# KiCad board Eclipse60.kicad_pcb (continued)
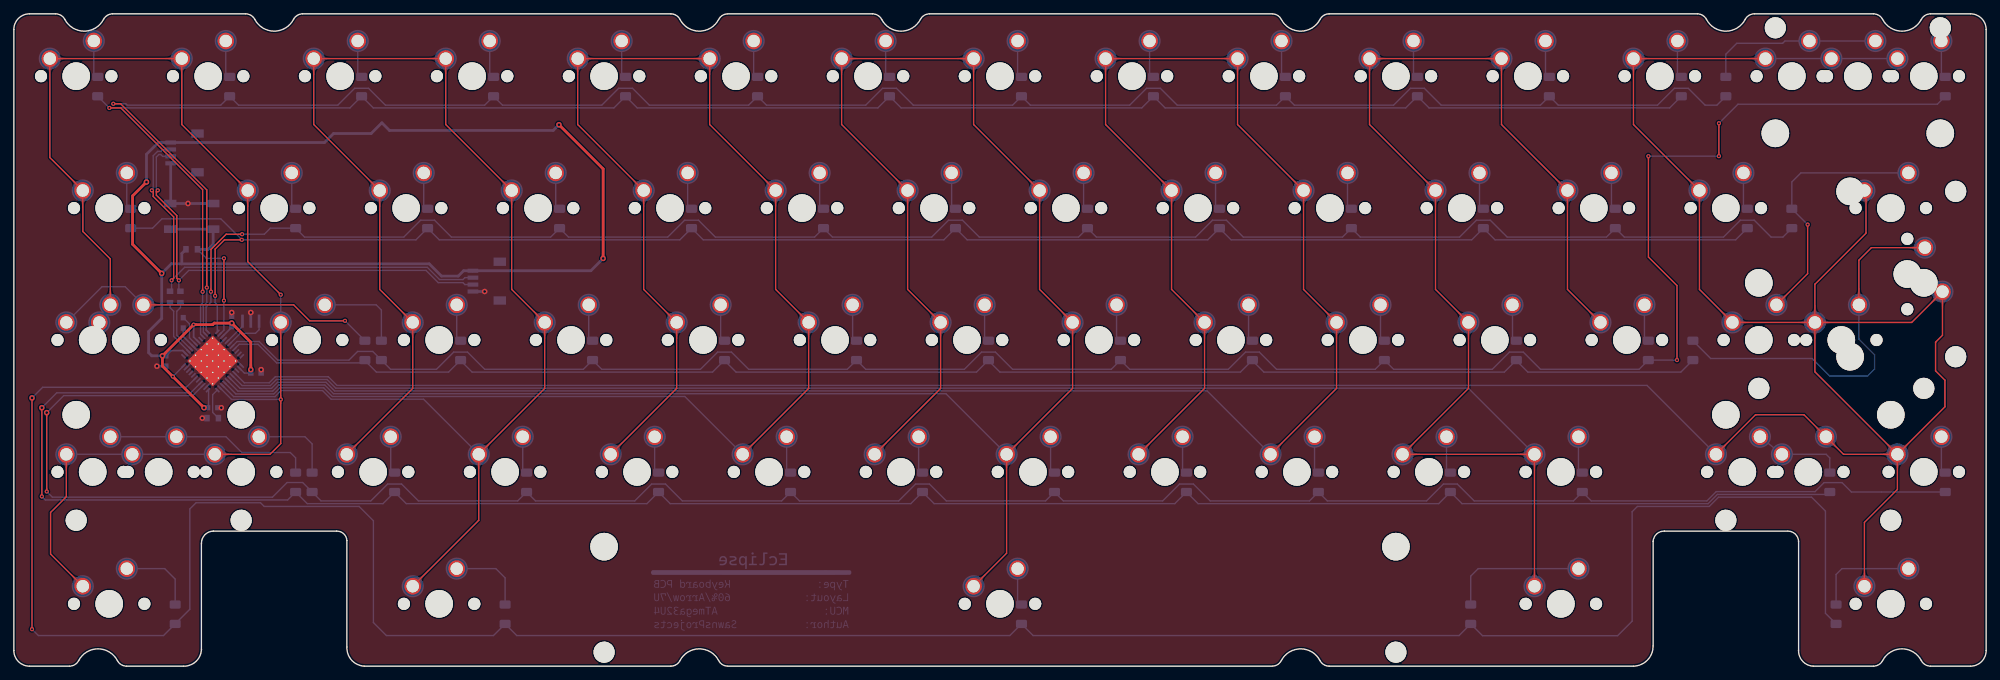
[diagram p0: board, top side]
## Routing (per net, layer and track width the routed paths; a pad name or vN(x,y) marks a point on that pad's centre or on a via; arc(x,y) is an arc through that point) (continued)
  Bottom w0.2: MX14.1 MX46.1 MX15.1 ; U1.26 33.26,40.92 36.87,40.92 37.74,41.79 45.39,41.79 46.64,40.54 235.74,40.54 MX62.1
D+: length 67.2
  Top w0.2: v1(23.82,55.72) 23.52,56.02 23.52,65.06 20.57,68.01 20.57,68.52 v1(20.77,68.72)
  Bottom w0.2: R2.2 23.82,54.37 v1(23.82,55.72) 25.25,57.15 59.49,57.15 61.26,55.38 64.83,55.38 65.11,55.1 J1.3 ; v1(20.77,68.72) 20.57,68.92 20.57,73.52 20.94,73.89 21.2,73.89 21.48,73.62 J2.3
D-: length 69.2
  Top w0.2: v1(19.92,68.72) 20.12,68.52 20.12,67.82 23.07,64.87 23.07,56.02 v1(22.77,55.72)
  Bottom w0.2: v1(19.92,68.72) 20.12,68.92 20.12,73.71 20.75,74.34 21.2,74.34 21.48,74.62 J2.2 ; J1.2 65.11,56.1 64.83,55.83 61.45,55.83 59.68,57.6 24.65,57.6 v1(22.77,55.72) 22.77,54.37 R3.1
R0: length 276.9
  Top w0.2: v1(27.25,54.07) 27.25,68.81 15.44,80.62 v1(13.78,80.62)
  Bottom w0.2: D13.1 239.01,80.62 204.28,80.62 D11.1 200.91,80.62 166.18,80.62 D9.1 162.81,80.62 128.08,80.62 D7.1 124.71,80.62 89.98,80.62 D5.1 86.61,80.62 51.88,80.62 D3.1 48.51,80.62 v1(13.78,80.62) D1.1 ; U1.9 26.95,47.94 26.95,52.2 27.25,52.5 v1(27.25,54.07)
R1: length 291.7
  Top w0.2: v1(27.85,54.67) 27.85,68.78 15.41,81.22 v1(14.35,81.22)
  Bottom w0.2: v1(27.85,54.67) 27.85,52.53 27.35,52.04 27.35,48.25 U1.10 ; v1(14.35,81.22) 16.16,81.22 16.36,81.02 29.86,81.02 D2.1 32.43,81.02 46.76,81.02 49.2,83.45 51.2,83.45 53.63,81.02 67.96,81.02 D4.1 70.53,81.02 84.86,81.02 87.3,83.45 89.3,83.45 91.73,81.02 106.06,81.02 D6.1 108.63,81.02 122.96,81.02 125.4,83.45 127.4,83.45 129.83,81.02 144.16,81.02 D8.1 146.73,81.02 161.06,81.02 163.5,83.45 165.5,83.45 167.93,81.02 182.26,81.02 D10.1 184.83,81.02 199.16,81.02 201.6,83.45 203.6,83.45 206.03,81.02 220.36,81.02 D12.1 222.93,81.02 237.26,81.02 239.7,83.45 241.7,83.45 244.13,81.02 245.84,81.02 D14.1
R2: length 259.4
  Top w0.2: v1(29.05,53.47) 29.05,60.22 30.4,61.57 v1(32.91,61.57)
  Bottom w0.2: D29.1 248.54,61.57 213.81,61.57 D27.1 210.44,61.57 175.71,61.57 D25.1 172.34,61.57 137.61,61.57 D23.1 134.24,61.57 99.51,61.57 D21.1 96.14,61.57 61.41,61.57 D19.1 58.04,61.57 v1(32.91,61.57) 29.88,64.6 21.38,64.6 20.03,63.25 D17.1 ; U1.12 29.36,52.21 29.05,52.52 v1(29.05,53.47)
R3: length 260.3
  Top w0.2: v1(28.45,54.07) 28.45,60.18 30.64,62.38 v1(32.95,62.38)
  Bottom w0.2: v1(28.45,54.07) 28.45,52.57 27.75,51.87 27.75,48.55 U1.11 ; v1(32.95,62.38) 36.15,62.38 37.03,63.25 D18.1 41.96,61.97 56.29,61.97 58.72,64.4 60.72,64.4 63.16,61.97 77.49,61.97 D20.1 80.06,61.97 94.39,61.97 96.82,64.4 98.82,64.4 101.26,61.97 115.59,61.97 D22.1 118.16,61.97 132.49,61.97 134.92,64.4 136.92,64.4 139.36,61.97 153.69,61.97 D24.1 156.26,61.97 170.59,61.97 173.02,64.4 175.02,64.4 177.46,61.97 191.79,61.97 D26.1 194.36,61.97 208.69,61.97 211.12,64.4 213.12,64.4 215.56,61.97 229.89,61.97 D28.1 232.46,61.97 246.79,61.97 249.22,64.4 251.22,64.4 253.66,61.97 255.37,61.97 D30.1
R4: length 220.5
  Bottom w0.2: 216.86,44.15 218.54,42.47 240.63,42.47 D45.1 ; 64.46,44.15 66.14,42.47 100.85,42.47 D37.1 ; 50.65,44.15 52.33,42.47 62.75,42.47 D35.1 ; 102.56,44.15 104.24,42.47 138.95,42.47 D39.1 ; 140.66,44.15 142.34,42.47 177.05,42.47 D41.1 ; 178.76,44.15 180.44,42.47 215.15,42.47 D43.1 ; U1.19 32.53,46.48 35.24,46.48 37.93,43.79 50.58,43.79
R5: length 307.2
  Top w0.2: v1(240.08,44.2) 240.08,54.95 235.95,59.08 v1(235.95,73.65) ; v1(246.13,78.4) v1(246.13,73.65)
  Bottom w0.2: D15.1 277.65,81.15 248.88,81.15 v1(246.13,78.4) ; v1(246.13,73.65) v1(235.95,73.65) ; v1(240.08,44.2) D44.1 234.6,42.87 220.37,42.87 217.89,45.35 215.89,45.35 213.4,42.87 199.17,42.87 D42.1 196.5,42.87 182.27,42.87 179.79,45.35 177.79,45.35 175.3,42.87 161.07,42.87 D40.1 158.4,42.87 144.17,42.87 141.69,45.35 139.69,45.35 137.2,42.87 122.97,42.87 D38.1 120.3,42.87 106.07,42.87 103.59,45.35 101.59,45.35 99.1,42.87 84.87,42.87 D36.1 82.2,42.87 67.97,42.87 65.49,45.35 63.49,45.35 61,42.87 54.39,42.87 D34.1 51.8,45.45 49.63,45.45 48.37,44.19 38.1,44.19 35.41,46.88 32.22,46.88 U1.18
R6: length 304.2
  Top w0.2: v2(4.04,37.32) v1(4.04,24.51)
  Bottom w0.2: 262.1,24.8 245.9,24.8 244.57,23.47 209.05,23.47 D59.1 205.68,23.47 170.95,23.47 D57.1 167.58,23.47 132.85,23.47 D55.1 129.48,23.47 94.75,23.47 D53.1 91.38,23.47 56.65,23.47 D51.1 53.28,23.47 42.36,23.47 D49.1 39.52,24 4.55,24 v1(4.04,24.51) ; v2(4.04,37.32) 6.18,39.47 25.51,39.47 U1.37
R7: length 329
  Top w0.2: v2(4.74,36.62) v1(4.74,25.22)
  Bottom w0.2: v1(4.74,25.22) 5.56,24.4 37.33,24.4 39.44,26.52 41.69,26.52 D50.1 44.34,23.87 51.53,23.87 53.96,26.3 55.96,26.3 58.4,23.87 72.73,23.87 D52.1 75.3,23.87 89.63,23.87 92.06,26.3 94.06,26.3 96.5,23.87 110.83,23.87 D54.1 113.4,23.87 127.73,23.87 130.16,26.3 132.16,26.3 134.6,23.87 148.93,23.87 D56.1 151.5,23.87 165.83,23.87 168.26,26.3 170.26,26.3 172.7,23.87 187.03,23.87 D58.1 189.6,23.87 203.93,23.87 206.36,26.3 208.36,26.3 210.8,23.87 225.13,23.87 D60.1 227.7,23.87 244.4,23.87 245.73,25.2 260,25.2 261.3,26.5 263.9,26.5 265.25,25.15 D63.1 ; v2(4.74,36.62) 7.2,39.07 25.82,39.07 U1.36
R8: length 390
  Top w0.2: v2(2.62,38.74) v1(2.62,5.34)
  Bottom w0.2: v1(2.62,5.34) 3.54,4.42 21.6,4.42 D65.1 25.4,8.21 25.4,22.7 26.3,23.6 35.6,23.6 36.13,23.07 49.83,23.07 51.9,21 51.9,6.3 53.78,4.42 69.23,4.42 D67.1 72.6,4.42 143.76,4.42 D69.1 147.13,4.42 208.61,4.42 D68.1 212,4.4 231.5,4.4 233.6,6.5 233.6,22.3 234.37,23.07 244.73,23.07 246.07,24.4 259.5,24.4 261.5,22.4 261.5,7.64 D72.1 ; U1.39 24.9,40.27 4.15,40.27 v2(2.62,38.74)
Net-(C1-Pad1): length 4.7
  Bottom w0.2: 26.34,46.43 25.35,47.42 25.35,49.42 C1.1
Net-(D1-Pad2): length 5.3
  Bottom w0.2: MX1.2 11.54,85.02
Net-(D2-Pad2): length 5.3
  Bottom w0.2: MX2.2 30.59,85.02
Net-(D3-Pad2): length 5.3
  Bottom w0.2: MX3.2 49.64,85.02
Net-(D4-Pad2): length 5.3
  Bottom w0.2: MX4.2 68.69,85.02
Net-(D5-Pad2): length 5.3
  Bottom w0.2: MX5.2 87.74,85.02
Net-(D6-Pad2): length 5.3
  Bottom w0.2: MX6.2 106.79,85.02
Net-(D7-Pad2): length 5.3
  Bottom w0.2: MX7.2 125.84,85.02
Net-(D8-Pad2): length 5.3
  Bottom w0.2: MX8.2 144.89,85.02
Net-(D9-Pad2): length 5.3
  Bottom w0.2: MX9.2 163.94,85.02
Net-(D10-Pad2): length 5.3
  Bottom w0.2: MX10.2 182.99,85.02
Net-(D11-Pad2): length 5.3
  Bottom w0.2: MX11.2 202.04,85.02
Net-(D12-Pad2): length 5.3
  Bottom w0.2: MX12.2 221.09,85.02
Net-(D13-Pad2): length 5.3
  Bottom w0.2: MX13.2 240.14,85.02
Net-(D14-Pad2): length 25.7
  Bottom w0.2: D14.2 247.13,88.38 248.7,89.95 255.32,89.95 255.65,90.28 MX14.2 MX46.2
Net-(D15-Pad2): length 5.3
  Bottom w0.2: MX15.2 278.24,85.02
Net-(D17-Pad2): length 5.3
  Bottom w0.2: MX17.2 16.3,65.96
Net-(D18-Pad2): length 5
  Bottom w0.2: MX18.2 40.12,66.24
Net-(D19-Pad2): length 5
  Bottom w0.2: MX19.2 59.17,66.24
Net-(D20-Pad2): length 5
  Bottom w0.2: MX20.2 78.22,66.24
Net-(D21-Pad2): length 5
  Bottom w0.2: 97.27,71.23 97.27,66.24
Net-(D22-Pad2): length 5
  Bottom w0.2: MX22.2 116.32,66.24
Net-(D23-Pad2): length 5
  Bottom w0.2: MX23.2 135.37,66.24
Net-(D24-Pad2): length 5
  Bottom w0.2: MX24.2 154.42,66.24
Net-(D25-Pad2): length 5
  Bottom w0.2: MX25.2 173.47,66.24
Net-(D26-Pad2): length 5
  Bottom w0.2: 192.52,71.23 192.52,66.24
Net-(D27-Pad2): length 5
  Bottom w0.2: MX27.2 211.57,66.24
Net-(D28-Pad2): length 5
  Bottom w0.2: 230.62,71.23 230.62,66.24
Net-(D29-Pad2): length 5
  Bottom w0.2: 249.67,71.23 249.67,66.24
Net-(D30-Pad2): length 37.9
  Top w0.2: v1(258.93,63.77) 258.93,56.68 MX83.2
  Bottom w0.2: v1(258.93,63.77) D30.2 256.65,69.93 257.96,71.23 MX30.2
Net-(D33-Pad2): length 48.5
  Top w0.2: MX33.2 40.39,52.18 42.7,49.87 v1(47.8,49.87)
  Bottom w0.2: D33.2 v1(47.8,49.87) ; MX65.1 12.73,54.8 16.06,54.8 MX33.2
Net-(D34-Pad2): length 12.9
  Bottom w0.2: MX34.2 52.3,52.18 53.05,51.42 D34.2
Net-(D35-Pad2): length 5.1
  Bottom w0.2: MX35.2 63.93,47.03
Net-(D36-Pad2): length 5.1
  Bottom w0.2: MX36.2 82.98,47.03
Net-(D37-Pad2): length 5.1
  Bottom w0.2: MX37.2 102.03,47.03
Net-(D38-Pad2): length 5.1
  Bottom w0.2: MX38.2 121.08,47.03
Net-(D39-Pad2): length 5.1
  Bottom w0.2: MX39.2 140.13,47.03
Net-(D40-Pad2): length 5.1
  Bottom w0.2: MX40.2 159.18,47.03
Net-(D41-Pad2): length 5.1
  Bottom w0.2: MX41.2 178.23,47.03
Net-(D42-Pad2): length 5.1
  Bottom w0.2: MX42.2 197.28,47.03
Net-(D43-Pad2): length 5.1
  Bottom w0.2: MX43.2 216.33,47.03
Net-(D44-Pad2): length 5.1
  Bottom w0.2: MX44.2 235.38,47.03
Net-(D45-Pad2): length 55.7
  Top w0.2: MX84.1 268.14,60.44 266.33,58.63 MX45.2
  Bottom w0.2: D45.2 244.94,44.43 259.6,44.43 262.13,41.9 267.6,41.9 268.6,42.9 268.6,44.98 266.33,47.24 MX45.2
Net-(D49-Pad2): length 30.1
  Bottom w0.2: D49.2 40.67,30.08 39.9,30.85 32.9,30.85 30.62,33.13 MX31.2 MX49.2
Net-(D50-Pad2): length 12.3
  Bottom w0.2: D50.2 43.06,32.1 42.02,33.13 MX50.2
Net-(D51-Pad2): length 5.1
  Bottom w0.2: MX51.2 54.4,28.06
Net-(D52-Pad2): length 5.1
  Bottom w0.2: MX52.2 73.45,28.06
Net-(D53-Pad2): length 5.1
  Bottom w0.2: MX53.2 92.5,28.06
Net-(D54-Pad2): length 5.1
  Bottom w0.2: MX54.2 111.55,28.06
Net-(D55-Pad2): length 5.1
  Bottom w0.2: MX55.2 130.6,28.06
Net-(D56-Pad2): length 5.1
  Bottom w0.2: MX56.2 149.65,28.06
Net-(D57-Pad2): length 5.1
  Bottom w0.2: MX57.2 168.7,28.06
Net-(D58-Pad2): length 5.1
  Bottom w0.2: MX58.2 187.75,28.06
Net-(D59-Pad2): length 5.1
  Bottom w0.2: MX59.2 206.8,28.06
Net-(D60-Pad2): length 5.3
  Bottom w0.2: MX60.2 225.85,27.85
Net-(D62-Pad2): length 13.3
  Bottom w0.2: D62.2 262.13,30.07 261.61,30.59 MX76.1 MX62.2
Net-(D63-Pad2): length 5.2
  Bottom w0.2: MX63.2 278.24,27.92
Net-(D65-Pad2): length 11.3
  Bottom w0.2: D65.2 23.29,12.57 21.78,14.08 MX80.2
Net-(D67-Pad2): length 11.4
  Bottom w0.2: D67.2 70.91,12.75 69.58,14.08 MX81.2
Net-(D68-Pad2): length 20.1
  Bottom w0.2: MX61.2 211.38,14.08 210.3,13 D68.2
Net-(D69-Pad2): length 5.3
  Bottom w0.2: MX79.2 144.89,8.77
Net-(D72-Pad2): length 15.1
  Bottom w0.2: D72.2 263.04,13.24 263.88,14.08 MX78.2
Net-(R1-Pad2): length 4.7
  Bottom w0.2: U1.33 28.7,39.21 28.7,36.64 R1.2
Net-(R4-Pad2): length 26.6
  Top w0.2: v1(30.33,52.78) v1(30.33,58.9)
  Bottom w0.2: R4.2 27.79,58.9 v1(30.33,58.9) ; v1(30.33,52.78) 30.33,48.52 U1.13
  Bottom w0.4: SW1.2 SW1.2 28.77,60.92 28.05,60.2 R4.2
Net-(U1-Pad16): length 3.9
  Bottom w0.2: Y1.3 33,49.08 U1.16
Net-(U1-Pad17): length 6.4
  Bottom w0.2: Y1.1 35.4,48.59 34.88,48.07 32.7,48.07 U1.17

## Copper pours and planes (outline as drawn; the poured copper is in the pictures)
GND on Top: 308.43,-1.43 -3.82,-1.43 -3.82,96.32 308.43,96.32
GND on Bottom: 23.66,67.01 22.81,67.3 22.29,66.81 22.81,66.31 23.66,66.61
GND on Bottom: 27.68,66.61 28.53,66.31 29.04,66.81 28.53,67.3 27.68,67.01
GND on Bottom: 22.44,67.71 22.13,67.14 22.52,66.54 23.1,66.95 22.84,67.71
GND on Bottom: 24.93,42.98 24.98,43.04 25.04,43.08 25.1,43.12 25.16,43.15 25.22,43.18 25.29,43.21 25.35,43.22 25.41,43.23 25.48,43.24 25.54,43.24 25.6,43.24 25.66,43.24 25.73,43.23 25.79,43.21 25.85,43.2 25.91,43.18 25.96,43.15 26.02,43.13 26.07,43.1 26.12,43.07 26.18,43.04 26.22,43.01 26.27,42.98 26.31,42.94 26.35,42.91 26.39,42.87 26.42,42.84 26.45,42.8 26.48,42.77 26.5,42.73 29.99,44.07 26.5,45.41 25.77,44.27 25.72,44.19 25.66,44.11 25.6,44.03 25.53,43.95 25.46,43.86 25.39,43.78 25.31,43.69 25.24,43.6 25.15,43.51 25.07,43.42 24.98,43.32 24.88,43.22 24.78,43.12
GND on Bottom: 25.85,46.08 25.89,46.02 25.94,45.97 25.98,45.92 26.02,45.87 26.05,45.81 26.08,45.76 26.11,45.7 26.13,45.65 26.16,45.59 26.17,45.54 26.19,45.48 26.2,45.43 26.22,45.38 26.2,44.68 29.77,43.35 27.18,46.15 26.59,45.98 26.55,45.98 26.5,45.98 26.45,45.99 26.4,45.99 26.35,46.01 26.31,46.02 26.26,46.04 26.21,46.06 26.16,46.08 26.12,46.11 26.07,46.14 26.03,46.18 25.99,46.22
GND on Bottom: 32.97,43.48 32.88,43.56 32.8,43.64 32.72,43.71 32.63,43.79 32.55,43.86 32.46,43.92 32.38,43.99 32.3,44.05 32.22,44.1 31.36,44.69 31.32,44.73 31.27,44.76 31.24,44.8 31.2,44.83 31.17,44.87 31.15,44.9 31.13,44.94 31.11,44.98 27.41,44.07 31.11,43.16 31.12,43.19 31.14,43.22 31.17,43.25 31.19,43.28 31.23,43.31 31.27,43.34 31.31,43.37 31.36,43.4 31.41,43.43 31.46,43.46 31.52,43.49 31.58,43.51 31.64,43.54 31.71,43.56 31.78,43.58 31.85,43.59 31.92,43.61 31.99,43.61 32.06,43.62 32.13,43.62 32.21,43.62 32.28,43.61 32.35,43.6 32.42,43.58 32.5,43.55 32.57,43.52 32.63,43.49 32.7,43.44 32.77,43.39 32.83,43.34
GND on Bottom: 30.35,47.28 30.29,47.22 30.22,47.16 30.16,47.1 30.09,47.06 30.03,47.01 29.96,46.97 29.9,46.93 29.83,46.89 29.77,46.86 29.7,46.83 29.64,46.8 29.58,46.78 29.51,46.76 29.45,46.74 29.39,46.72 29.33,46.71 28.66,46.64 28.21,42.88 30.53,45.88 30.28,46.4 30.28,46.45 30.27,46.5 30.27,46.55 30.27,46.6 30.27,46.65 30.28,46.7 30.28,46.75 30.3,46.8 30.31,46.85 30.33,46.9 30.36,46.95 30.38,47 30.42,47.04 30.45,47.09 30.49,47.14
GND on Bottom: 27.75,40.15 27.85,40.25 27.95,40.35 28.05,40.44 28.14,40.52 28.23,40.61 28.32,40.68 28.41,40.76 28.49,40.83 28.58,40.9 28.66,40.96 28.74,41.03 28.82,41.09 28.9,41.14 30.04,41.87 28.7,45.36 27.36,41.87 27.4,41.85 27.43,41.82 27.47,41.79 27.5,41.76 27.54,41.72 27.57,41.68 27.61,41.64 27.64,41.59 27.67,41.54 27.7,41.49 27.73,41.44 27.76,41.39 27.78,41.33 27.81,41.27 27.83,41.22 27.84,41.16 27.86,41.09 27.87,41.03 27.87,40.97 27.87,40.91 27.87,40.84 27.86,40.78 27.85,40.72 27.84,40.66 27.81,40.59 27.79,40.53 27.75,40.47 27.71,40.41 27.67,40.35 27.61,40.3
C0 on Top: 13.82,54.57 13.82,54.47 13.81,54.37 13.8,54.28 13.79,54.2 13.78,54.12 13.76,54.05 13.74,53.99 13.71,53.92 13.69,53.86 13.66,53.81 13.63,53.75 13.59,53.7 13.56,53.65 13.52,53.6 13.14,53.18 13.1,53.12 13.06,53.06 13.01,53 12.97,52.93 12.93,52.86 12.88,52.79 12.84,52.7 13.92,51.58 15,52.7 14.96,52.79 14.92,52.86 14.87,52.93 14.83,53 14.79,53.06 14.74,53.12 14.7,53.18 14.32,53.6 14.28,53.65 14.25,53.7 14.22,53.75 14.18,53.81 14.16,53.86 14.13,53.92 14.11,53.99 14.08,54.05 14.07,54.12 14.05,54.2 14.04,54.28 14.03,54.37 14.02,54.47 14.02,54.57
C0 on Top: 7.67,28.2 7.67,28.3 7.68,28.4 7.69,28.49 7.7,28.57 7.72,28.65 7.73,28.72 7.76,28.79 7.78,28.85 7.81,28.91 7.83,28.97 7.87,29.02 7.9,29.07 7.93,29.12 7.97,29.17 8.35,29.59 8.39,29.65 8.44,29.71 8.48,29.77 8.52,29.84 8.57,29.91 8.61,29.99 8.65,30.07 7.57,31.19 6.49,30.07 6.53,29.99 6.58,29.91 6.62,29.84 6.66,29.77 6.71,29.71 6.75,29.65 6.79,29.59 7.17,29.17 7.21,29.12 7.24,29.07 7.28,29.02 7.31,28.97 7.34,28.91 7.36,28.85 7.39,28.79 7.41,28.72 7.43,28.65 7.44,28.57 7.45,28.49 7.46,28.4 7.47,28.3 7.47,28.2
C0 on Top: 8.19,13.16 8.26,13.09 8.33,13.02 8.38,12.95 8.43,12.88 8.48,12.81 8.51,12.75 8.55,12.69 8.57,12.62 8.6,12.56 8.62,12.5 8.63,12.44 8.65,12.38 8.66,12.33 8.66,12.27 8.7,11.7 8.71,11.63 8.72,11.55 8.73,11.48 8.75,11.4 8.77,11.32 8.79,11.23 8.82,11.15 10.38,11.12 10.35,12.67 10.26,12.7 10.18,12.73 10.09,12.75 10.02,12.76 9.94,12.78 9.87,12.79 9.8,12.79 9.23,12.83 9.17,12.84 9.11,12.85 9.05,12.86 8.99,12.88 8.93,12.9 8.87,12.92 8.81,12.95 8.74,12.98 8.68,13.02 8.61,13.06 8.55,13.11 8.48,13.17 8.41,13.23 8.33,13.3
C0 on Top: 8.19,70.31 8.26,70.24 8.33,70.17 8.38,70.1 8.43,70.03 8.48,69.96 8.51,69.9 8.55,69.84 8.57,69.77 8.6,69.71 8.62,69.65 8.63,69.59 8.65,69.53 8.66,69.48 8.66,69.42 8.7,68.85 8.71,68.78 8.72,68.7 8.73,68.63 8.75,68.55 8.77,68.47 8.79,68.38 8.82,68.3 10.38,68.27 10.35,69.82 10.26,69.85 10.18,69.88 10.09,69.9 10.02,69.91 9.94,69.93 9.87,69.94 9.8,69.94 9.23,69.98 9.17,69.99 9.11,70 9.05,70.01 8.99,70.03 8.93,70.05 8.87,70.07 8.81,70.1 8.74,70.13 8.68,70.17 8.61,70.21 8.55,70.26 8.48,70.32 8.41,70.38 8.33,70.45
C0 on Top: 5.29,85.35 5.29,85.45 5.3,85.55 5.31,85.64 5.32,85.72 5.33,85.8 5.35,85.87 5.37,85.94 5.4,86 5.42,86.06 5.45,86.12 5.48,86.17 5.52,86.22 5.55,86.27 5.59,86.32 5.97,86.74 6.01,86.8 6.06,86.86 6.1,86.92 6.14,86.99 6.19,87.06 6.23,87.14 6.27,87.22 5.19,88.34 4.11,87.22 4.15,87.14 4.19,87.06 4.24,86.99 4.28,86.92 4.32,86.86 4.37,86.8 4.41,86.74 4.79,86.32 4.83,86.27 4.86,86.22 4.9,86.17 4.93,86.12 4.96,86.06 4.98,86 5.01,85.94 5.03,85.87 5.05,85.8 5.06,85.72 5.07,85.64 5.08,85.55 5.09,85.45 5.09,85.35
C0 on Top: 33.87,66.3 33.87,66.4 33.87,66.5 33.88,66.59 33.89,66.67 33.91,66.75 33.93,66.82 33.95,66.89 33.97,66.95 34,67.01 34.03,67.07 34.06,67.12 34.09,67.17 34.13,67.22 34.16,67.27 34.54,67.69 34.59,67.75 34.63,67.81 34.67,67.87 34.72,67.94 34.76,68.01 34.8,68.09 34.85,68.17 33.77,69.29 32.69,68.17 32.73,68.09 32.77,68.01 32.81,67.94 32.86,67.87 32.9,67.81 32.94,67.75 32.99,67.69 33.37,67.27 33.4,67.22 33.44,67.17 33.47,67.12 33.5,67.07 33.53,67.01 33.56,66.95 33.58,66.89 33.6,66.82 33.62,66.75 33.64,66.67 33.65,66.59 33.66,66.5 33.66,66.4 33.67,66.3
C0 on Top: 7.58,87.84 7.48,87.84 7.38,87.85 7.29,87.86 7.21,87.87 7.13,87.88 7.06,87.9 6.99,87.92 6.93,87.95 6.87,87.97 6.82,88 6.76,88.03 6.71,88.07 6.66,88.1 6.61,88.14 6.19,88.52 6.13,88.56 6.07,88.61 6.01,88.65 5.94,88.69 5.87,88.74 5.79,88.78 5.71,88.82 4.59,87.74 5.71,86.66 5.79,86.7 5.87,86.74 5.94,86.79 6.01,86.83 6.07,86.88 6.13,86.92 6.19,86.96 6.61,87.34 6.66,87.38 6.71,87.41 6.76,87.45 6.82,87.48 6.87,87.51 6.93,87.53 6.99,87.56 7.06,87.58 7.13,87.6 7.21,87.61 7.29,87.62 7.38,87.63 7.48,87.64 7.58,87.64
C0 on Top: 21.85,87.64 21.95,87.64 22.05,87.63 22.14,87.62 22.22,87.61 22.3,87.6 22.37,87.58 22.44,87.56 22.5,87.53 22.56,87.51 22.61,87.48 22.67,87.45 22.72,87.41 22.77,87.38 22.82,87.34 23.24,86.96 23.3,86.92 23.36,86.88 23.42,86.83 23.49,86.79 23.56,86.74 23.64,86.7 23.72,86.66 24.84,87.74 23.72,88.82 23.64,88.78 23.56,88.74 23.49,88.69 23.42,88.65 23.36,88.61 23.3,88.56 23.24,88.52 22.82,88.14 22.77,88.1 22.72,88.07 22.67,88.03 22.61,88 22.56,87.97 22.5,87.95 22.44,87.92 22.37,87.9 22.3,87.88 22.22,87.87 22.14,87.86 22.05,87.85 21.95,87.84 21.85,87.84
C0 on Top: 32,70.31 32.08,70.24 32.14,70.17 32.19,70.1 32.24,70.03 32.29,69.96 32.33,69.9 32.36,69.84 32.39,69.77 32.41,69.71 32.43,69.65 32.45,69.59 32.46,69.53 32.47,69.48 32.48,69.42 32.51,68.85 32.52,68.78 32.53,68.7 32.54,68.63 32.56,68.55 32.58,68.47 32.6,68.38 32.63,68.3 34.19,68.27 34.16,69.82 34.07,69.85 33.99,69.88 33.91,69.9 33.83,69.91 33.75,69.93 33.68,69.94 33.61,69.94 33.04,69.98 32.98,69.99 32.92,70 32.86,70.01 32.8,70.03 32.74,70.05 32.68,70.07 32.62,70.1 32.56,70.13 32.49,70.17 32.43,70.21 32.36,70.26 32.29,70.32 32.22,70.38 32.15,70.45
C0 on Top: 24.34,85.35 24.34,85.45 24.35,85.55 24.36,85.64 24.37,85.72 24.38,85.8 24.4,85.87 24.42,85.94 24.45,86 24.47,86.06 24.5,86.12 24.53,86.17 24.57,86.22 24.6,86.27 24.64,86.32 25.02,86.74 25.06,86.8 25.11,86.86 25.15,86.92 25.19,86.99 25.24,87.06 25.28,87.14 25.32,87.22 24.24,88.34 23.16,87.22 23.2,87.14 23.24,87.06 23.29,86.99 23.33,86.92 23.37,86.86 23.42,86.8 23.46,86.74 23.84,86.32 23.88,86.27 23.91,86.22 23.95,86.17 23.98,86.12 24.01,86.06 24.03,86 24.06,85.94 24.08,85.87 24.1,85.8 24.11,85.72 24.12,85.64 24.13,85.55 24.14,85.45 24.14,85.35
C0 on Top: 31.39,30.69 31.29,30.69 31.2,30.7 31.11,30.71 31.02,30.72 30.95,30.73 30.87,30.75 30.81,30.77 30.74,30.8 30.68,30.82 30.63,30.85 30.57,30.88 30.52,30.92 30.47,30.95 30.43,30.99 30,31.37 29.94,31.41 29.88,31.46 29.82,31.5 29.75,31.54 29.68,31.59 29.61,31.63 29.53,31.67 28.4,30.59 29.53,29.51 29.61,29.55 29.68,29.59 29.75,29.64 29.82,29.68 29.88,29.73 29.94,29.77 30,29.81 30.43,30.19 30.47,30.23 30.52,30.26 30.57,30.3 30.63,30.33 30.68,30.36 30.74,30.38 30.81,30.41 30.87,30.43 30.95,30.45 31.02,30.46 31.11,30.47 31.2,30.48 31.29,30.49 31.39,30.49
C0 on Top: 10.05,66.3 10.05,66.4 10.06,66.5 10.07,66.59 10.08,66.67 10.1,66.75 10.12,66.82 10.14,66.89 10.16,66.95 10.19,67.01 10.22,67.07 10.25,67.12 10.28,67.17 10.31,67.22 10.35,67.27 10.73,67.69 10.77,67.75 10.82,67.81 10.86,67.87 10.91,67.94 10.95,68.01 10.99,68.09 11.03,68.17 9.95,69.29 8.87,68.17 8.91,68.09 8.96,68.01 9,67.94 9.04,67.87 9.09,67.81 9.13,67.75 9.18,67.69 9.55,67.27 9.59,67.22 9.63,67.17 9.66,67.12 9.69,67.07 9.72,67.01 9.74,66.95 9.77,66.89 9.79,66.82 9.81,66.75 9.82,66.67 9.84,66.59 9.85,66.5 9.85,66.4 9.85,66.3
C0 on Top: 38.63,47.25 38.63,47.35 38.63,47.45 38.64,47.54 38.66,47.62 38.67,47.7 38.69,47.77 38.71,47.84 38.74,47.9 38.76,47.96 38.79,48.02 38.82,48.07 38.85,48.12 38.89,48.17 38.93,48.22 39.3,48.64 39.35,48.7 39.39,48.76 39.44,48.82 39.48,48.89 39.52,48.96 39.57,49.04 39.61,49.12 38.53,50.24 37.45,49.12 37.49,49.04 37.53,48.96 37.57,48.89 37.62,48.82 37.66,48.76 37.71,48.7 37.75,48.64 38.13,48.22 38.17,48.17 38.2,48.12 38.23,48.07 38.26,48.02 38.29,47.96 38.32,47.9 38.34,47.84 38.36,47.77 38.38,47.7 38.4,47.62 38.41,47.54 38.42,47.45 38.43,47.35 38.43,47.25
C0 on Bottom: 13.91,30.49 14.04,30.49 14.17,30.48 14.29,30.47 14.4,30.45 14.5,30.43 14.6,30.4 14.69,30.37 14.77,30.34 14.85,30.31 14.93,30.27 15,30.22 15.07,30.18 15.13,30.13 15.2,30.08 15.26,30.03 15.32,29.97 15.63,29.68 15.69,29.62 15.76,29.56 15.84,29.5 15.92,29.44 16,29.38 16.09,29.32 16.19,29.26 16.29,29.21 16.4,29.15 17.9,30.59 16.4,32.03 16.29,31.97 16.19,31.92 16.09,31.86 16,31.8 15.92,31.74 15.84,31.68 15.76,31.62 15.69,31.56 15.63,31.5 15.32,31.21 15.26,31.15 15.2,31.1 15.13,31.05 15.07,31 15,30.96 14.93,30.92 14.85,30.88 14.77,30.84 14.69,30.81 14.6,30.78 14.5,30.75 14.4,30.73 14.29,30.71 14.17,30.7 14.04,30.69 13.91,30.69
C0 on Bottom: 9.96,30.69 9.86,30.69 9.76,30.7 9.68,30.71 9.59,30.72 9.52,30.73 9.44,30.75 9.38,30.77 9.31,30.8 9.25,30.82 9.2,30.85 9.14,30.88 9.09,30.92 9.04,30.95 9,30.99 8.57,31.37 8.51,31.41 8.45,31.46 8.39,31.5 8.32,31.54 8.25,31.59 8.18,31.63 8.09,31.67 6.97,30.59 8.09,29.51 8.18,29.55 8.25,29.59 8.32,29.64 8.39,29.68 8.45,29.73 8.51,29.77 8.57,29.81 9,30.19 9.04,30.23 9.09,30.26 9.14,30.3 9.2,30.33 9.25,30.36 9.31,30.38 9.38,30.41 9.44,30.43 9.52,30.45 9.59,30.46 9.68,30.47 9.76,30.48 9.86,30.49 9.96,30.49
C0 on Bottom: 19.49,30.69 19.38,30.69 19.29,30.7 19.2,30.71 19.12,30.72 19.04,30.73 18.97,30.75 18.9,30.77 18.84,30.8 18.78,30.82 18.72,30.85 18.67,30.88 18.62,30.92 18.57,30.95 18.52,30.99 18.09,31.37 18.04,31.41 17.98,31.46 17.92,31.5 17.85,31.54 17.78,31.59 17.7,31.63 17.62,31.67 16.5,30.59 17.62,29.51 17.7,29.55 17.78,29.59 17.85,29.64 17.92,29.68 17.98,29.73 18.04,29.77 18.09,29.81 18.52,30.19 18.57,30.23 18.62,30.26 18.67,30.3 18.72,30.33 18.78,30.36 18.84,30.38 18.9,30.41 18.97,30.43 19.04,30.45 19.12,30.46 19.2,30.47 19.29,30.48 19.38,30.49 19.49,30.49
C0 on Bottom: 10.76,30.69 10.62,30.69 10.5,30.7 10.38,30.71 10.27,30.73 10.16,30.75 10.07,30.78 9.98,30.81 9.89,30.84 9.81,30.88 9.74,30.92 9.67,30.96 9.6,31 9.54,31.05 9.47,31.1 9.41,31.15 9.35,31.21 9.04,31.5 8.97,31.56 8.9,31.62 8.83,31.68 8.75,31.74 8.67,31.8 8.58,31.86 8.48,31.92 8.38,31.97 8.27,32.03 6.77,30.59 8.27,29.15 8.38,29.21 8.48,29.26 8.58,29.32 8.67,29.38 8.75,29.44 8.83,29.5 8.9,29.56 8.97,29.62 9.04,29.68 9.35,29.97 9.41,30.03 9.47,30.08 9.54,30.13 9.6,30.18 9.67,30.22 9.74,30.27 9.81,30.31 9.89,30.34 9.98,30.37 10.07,30.4 10.16,30.43 10.27,30.45 10.38,30.47 10.5,30.48 10.62,30.49 10.76,30.49
C0 on Bottom: 25.81,30.49 25.95,30.49 26.08,30.48 26.2,30.47 26.31,30.45 26.41,30.43 26.51,30.4 26.6,30.37 26.68,30.34 26.76,30.31 26.83,30.27 26.91,30.22 26.97,30.18 27.04,30.13 27.1,30.08 27.16,30.03 27.22,29.97 27.53,29.68 27.6,29.62 27.67,29.56 27.74,29.5 27.82,29.44 27.91,29.38 28,29.32 28.09,29.26 28.2,29.21 28.31,29.15 29.8,30.59 28.31,32.03 28.2,31.97 28.09,31.92 28,31.86 27.91,31.8 27.82,31.74 27.74,31.68 27.67,31.62 27.6,31.56 27.53,31.5 27.22,31.21 27.16,31.15 27.1,31.1 27.04,31.05 26.97,31 26.91,30.96 26.83,30.92 26.76,30.88 26.68,30.84 26.6,30.81 26.51,30.78 26.41,30.75 26.31,30.73 26.2,30.71 26.08,30.7 25.95,30.69 25.81,30.69
C0 on Bottom: 26.61,30.49 26.71,30.49 26.81,30.48 26.9,30.47 26.98,30.46 27.06,30.45 27.13,30.43 27.2,30.41 27.26,30.38 27.32,30.36 27.38,30.33 27.43,30.3 27.48,30.26 27.53,30.23 27.58,30.19 28.01,29.81 28.06,29.77 28.12,29.73 28.18,29.68 28.25,29.64 28.32,29.59 28.4,29.55 28.48,29.51 29.6,30.59 28.48,31.67 28.4,31.63 28.32,31.59 28.25,31.54 28.18,31.5 28.12,31.46 28.06,31.41 28.01,31.37 27.58,30.99 27.53,30.95 27.48,30.92 27.43,30.88 27.38,30.85 27.32,30.82 27.26,30.8 27.2,30.77 27.13,30.75 27.06,30.73 26.98,30.72 26.9,30.71 26.81,30.7 26.71,30.69 26.61,30.69
C0 on Bottom: 20.29,30.69 20.15,30.69 20.02,30.7 19.9,30.71 19.79,30.73 19.69,30.75 19.59,30.78 19.5,30.81 19.42,30.84 19.34,30.88 19.26,30.92 19.19,30.96 19.13,31 19.06,31.05 19,31.1 18.94,31.15 18.88,31.21 18.57,31.5 18.5,31.56 18.43,31.62 18.35,31.68 18.28,31.74 18.19,31.8 18.1,31.86 18.01,31.92 17.9,31.97 17.79,32.03 16.3,30.59 17.79,29.15 17.9,29.21 18.01,29.26 18.1,29.32 18.19,29.38 18.28,29.44 18.35,29.5 18.43,29.56 18.5,29.62 18.57,29.68 18.88,29.97 18.94,30.03 19,30.08 19.06,30.13 19.13,30.18 19.19,30.22 19.26,30.27 19.34,30.31 19.42,30.34 19.5,30.37 19.59,30.4 19.69,30.43 19.79,30.45 19.9,30.47 20.02,30.48 20.15,30.49 20.29,30.49
C0 on Bottom: 38.43,52.03 38.43,51.93 38.42,51.83 38.41,51.74 38.4,51.66 38.38,51.58 38.36,51.51 38.34,51.45 38.32,51.38 38.29,51.32 38.26,51.27 38.23,51.21 38.2,51.16 38.17,51.11 38.13,51.06 37.75,50.64 37.71,50.58 37.66,50.52 37.62,50.46 37.57,50.39 37.53,50.32 37.49,50.25 37.45,50.16 38.53,49.04 39.61,50.16 39.57,50.25 39.52,50.32 39.48,50.39 39.44,50.46 39.39,50.52 39.35,50.58 39.3,50.64 38.93,51.06 38.89,51.11 38.85,51.16 38.82,51.21 38.79,51.27 38.76,51.32 38.74,51.38 38.71,51.45 38.69,51.51 38.67,51.58 38.66,51.66 38.64,51.74 38.63,51.83 38.63,51.93 38.63,52.03
C0 on Bottom: 38.43,52.83 38.42,52.69 38.42,52.57 38.4,52.45 38.39,52.34 38.37,52.23 38.34,52.14 38.31,52.05 38.28,51.96 38.24,51.88 38.2,51.81 38.16,51.74 38.11,51.67 38.07,51.6 38.02,51.54 37.96,51.48 37.91,51.42 37.62,51.11 37.56,51.04 37.5,50.97 37.44,50.9 37.38,50.82 37.32,50.74 37.26,50.65 37.2,50.55 37.14,50.45 37.09,50.34 38.53,48.84 39.97,50.34 39.91,50.45 39.85,50.55 39.8,50.65 39.74,50.74 39.68,50.82 39.62,50.9 39.56,50.97 39.5,51.04 39.44,51.11 39.14,51.42 39.09,51.48 39.04,51.54 38.99,51.6 38.94,51.67 38.9,51.74 38.85,51.81 38.81,51.88 38.78,51.96 38.74,52.05 38.71,52.14 38.69,52.23 38.67,52.34 38.65,52.45 38.64,52.57 38.63,52.69 38.63,52.83
C0 on Bottom: 14.71,30.49 14.81,30.49 14.9,30.48 14.99,30.47 15.07,30.46 15.15,30.45 15.22,30.43 15.29,30.41 15.36,30.38 15.41,30.36 15.47,30.33 15.52,30.3 15.58,30.26 15.62,30.23 15.67,30.19 16.1,29.81 16.16,29.77 16.21,29.73 16.28,29.68 16.34,29.64 16.42,29.59 16.49,29.55 16.57,29.51 17.7,30.59 16.57,31.67 16.49,31.63 16.42,31.59 16.34,31.54 16.28,31.5 16.21,31.46 16.16,31.41 16.1,31.37 15.67,30.99 15.62,30.95 15.58,30.92 15.52,30.88 15.47,30.85 15.41,30.82 15.36,30.8 15.29,30.77 15.22,30.75 15.15,30.73 15.07,30.72 14.99,30.71 14.9,30.7 14.81,30.69 14.71,30.69
C1 on Top: 59.95,87.64 60.05,87.64 60.15,87.63 60.24,87.62 60.32,87.61 60.4,87.6 60.47,87.58 60.54,87.56 60.6,87.53 60.66,87.51 60.71,87.48 60.77,87.45 60.82,87.41 60.87,87.38 60.92,87.34 61.34,86.96 61.4,86.92 61.46,86.88 61.52,86.83 61.59,86.79 61.66,86.74 61.74,86.7 61.82,86.66 62.94,87.74 61.82,88.82 61.74,88.78 61.66,88.74 61.59,88.69 61.52,88.65 61.46,88.61 61.4,88.56 61.34,88.52 60.92,88.14 60.87,88.1 60.82,88.07 60.77,88.03 60.71,88 60.66,87.97 60.6,87.95 60.54,87.92 60.47,87.9 60.4,87.88 60.32,87.87 60.24,87.86 60.15,87.85 60.05,87.84 59.95,87.84
C1 on Top: 45.68,87.84 45.58,87.84 45.48,87.85 45.39,87.86 45.31,87.87 45.23,87.88 45.16,87.9 45.09,87.92 45.03,87.95 44.97,87.97 44.92,88 44.86,88.03 44.81,88.07 44.76,88.1 44.71,88.14 44.29,88.52 44.23,88.56 44.17,88.61 44.11,88.65 44.04,88.69 43.97,88.74 43.89,88.78 43.81,88.82 42.69,87.74 43.81,86.66 43.89,86.7 43.97,86.74 44.04,86.79 44.11,86.83 44.17,86.88 44.23,86.92 44.29,86.96 44.71,87.34 44.76,87.38 44.81,87.41 44.86,87.45 44.92,87.48 44.97,87.51 45.03,87.53 45.09,87.56 45.16,87.58 45.23,87.6 45.31,87.61 45.39,87.62 45.48,87.63 45.58,87.64 45.68,87.64
